# Altium PCB 400442.PcbDoc (part 3 of 4) (continued)
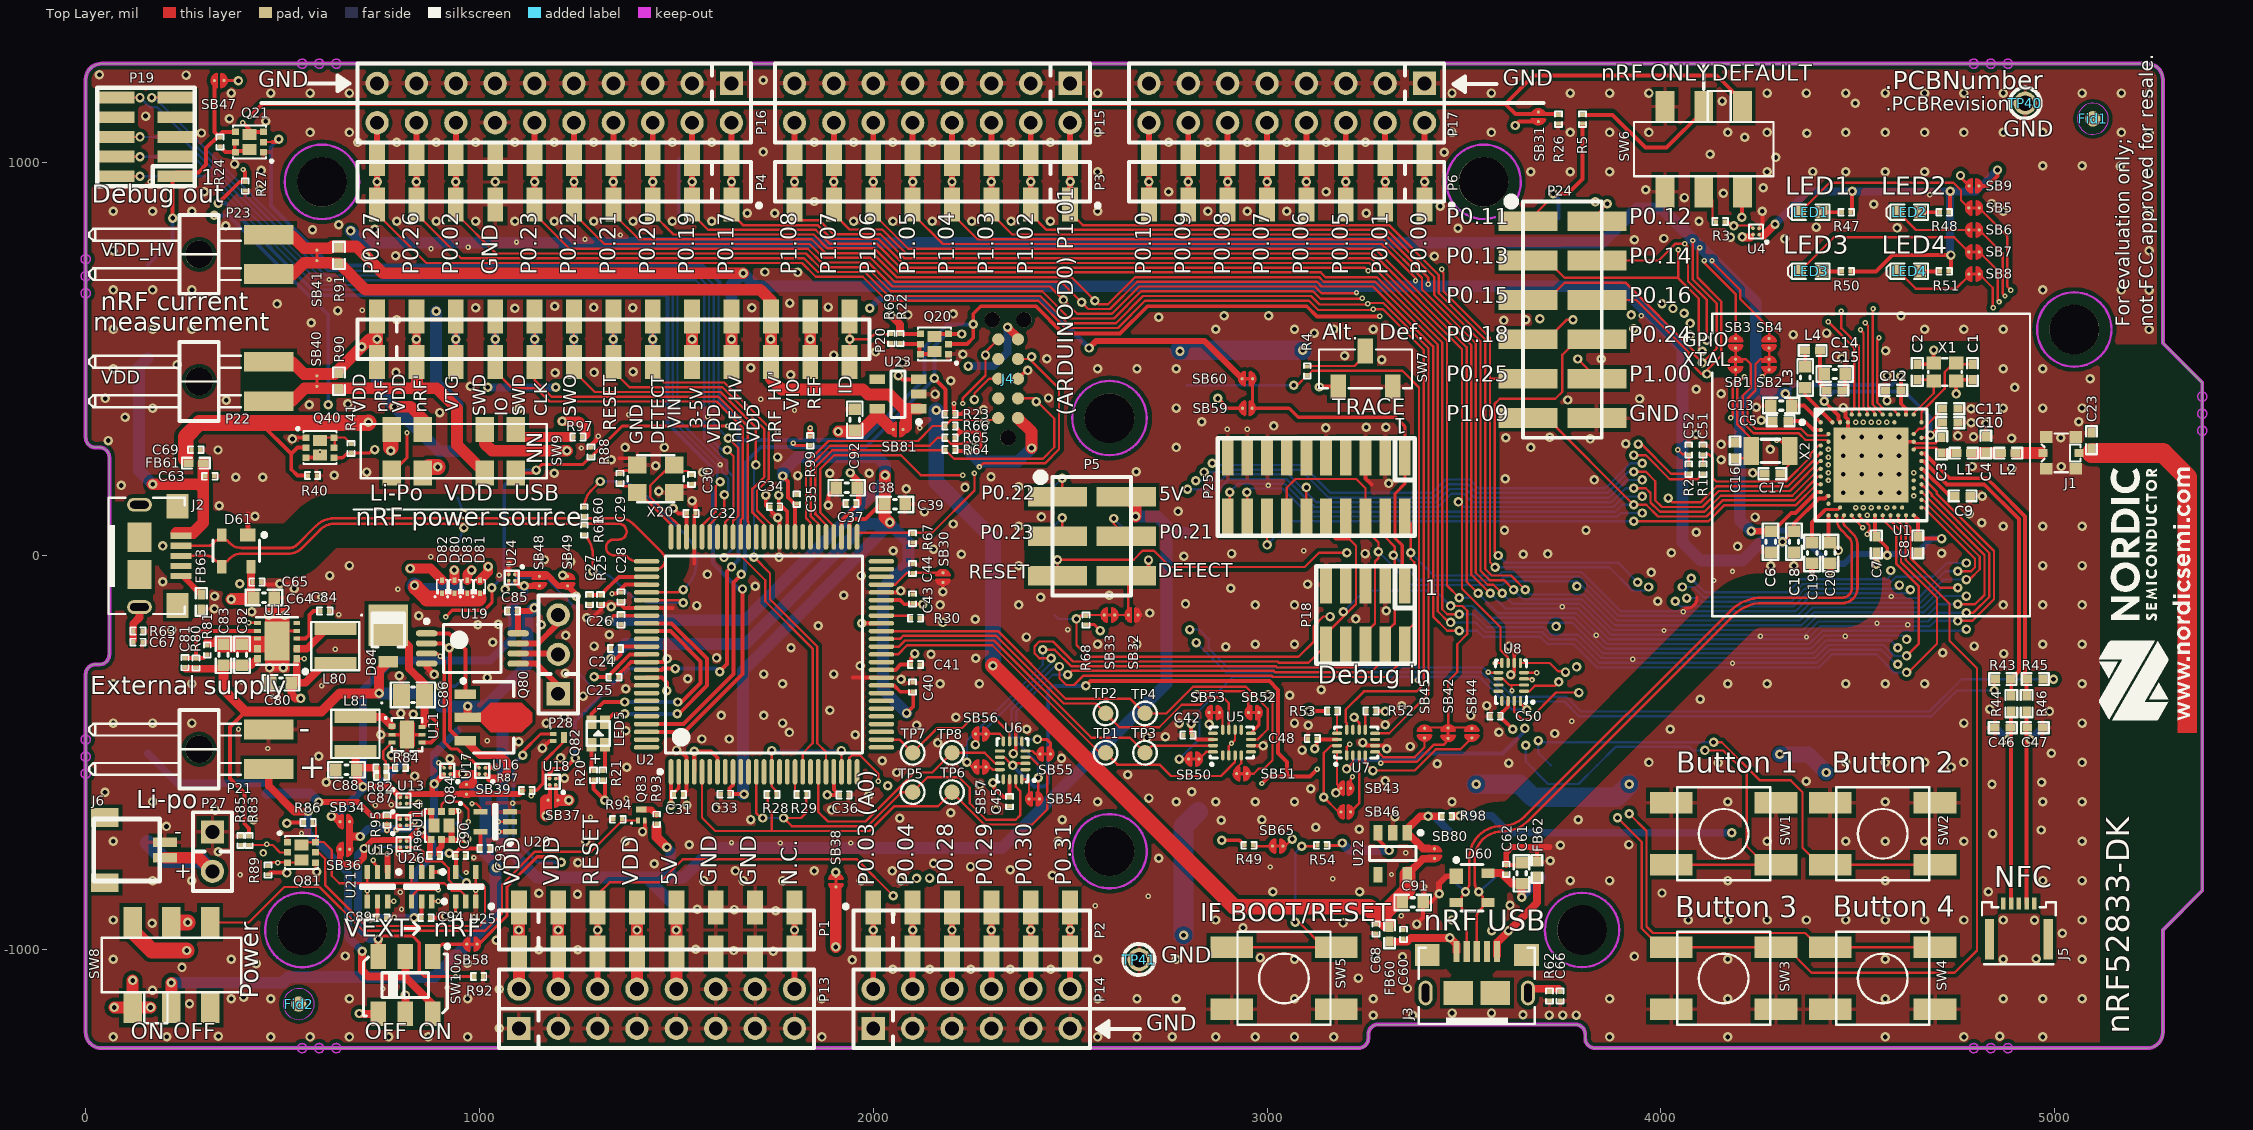
[diagram p0: Top Layer view]
## Nets (pads, with @x,y where several pads share a name; then routed paths per layer and width w, separated by ;. In a path a pad name is that pad's centre, name@x,y a point inside that pad or via, vN(x,y) a via of type N, cw(c..) or ccw(c..) an arc to the next point about the centre after c; other vN are vias at no path point) (continued)
  Mid-Layer 2 w5.91: v1(2819,191) 2819,242 2956,379 2956,725.94 3000,769.94 v1(3000,950) ; v1(3741,-320) 3737.09,-316.09 3737.09,-280.6 3779,-238.7 3779,-153.7 3809,-123.7 3809,-33.06 3898,55.94 3898,168.7 3922.3,193 v1(3953,193)
  Bottom Layer w5.91: v1(2819,191) 2882.33,191 2898.33,207 3054.27,207 3125.27,136 3429.33,136 3463.33,170 3505.06,170 3527.06,148 3869.24,148 3914.24,193 v1(3953,193)
  Bottom Layer w15: P12.5@3000,892.32 v1(3000,950) P12.5@3000,1007.68
P0.08: P6.6 P12.6 P17.12 SB52.1 U1.N1 | length 3679.9
  Top Layer w5.91: v1(2821,-353) 2830.08,-343.92 2940.95,-343.92 2952.7,-355.67 2952.7,-405 ; v1(3931,172) 3961.7,172 3974,159.7 3974,135.97 3997.97,112 4111.03,112 4152.03,153 4333.95,153 4402.11,221.16 U1.N1@4406.05,221.16
  Top Layer w15: P6.6@2900,904 v1(2900,950) P6.6@2900,1007.68 P17.12@2900,1100
  Mid-Layer 2 w5.91: v1(2821,-353) 2842,-332 2842,125 v1(2798,169) 2798,237.97 2944,383.97 2944,726 2900,770 v1(2900,950)
  Bottom Layer w5.91: v1(2798,169) 2877.3,169 2903.3,195 3049.3,195 3120.3,124 3434.3,124 3468.3,158 3500.09,158 3522.09,136 3874.21,136 3910.21,172 v1(3931,172)
  Bottom Layer w15: P12.6@2900,892.32 v1(2900,950) P12.6@2900,1007.68
P0.09/NFC1: R43.2 R44.2 U1.L24 | length 766.6
  Top Layer w9.84: U1.L24@4661.95,240.84 4667.26,240.84 4726.32,181.79 4821.21,181.79 4909.4,93.6 4909.4,-292.13 R43.2@4888.53,-313 4890,-314.47 R44.2@4890,-355.32
P0.10/NFC2: R45.2 R46.2 U1.J24 | length 785.2
  Top Layer w9.84: U1.J24@4661.95,260.53 4669.57,260.53 4732.76,197.34 4827.65,197.34 4852,173 4924.95,100.04 4924.95,72.29 4925.24,72 4925.24,-307.09 R45.2@4931.16,-313 ; R46.2@4929,-355.32 R45.2@4929,-315.16
P0.11: P24.1 P25.18 U1.T2 U8.5 | length 3336.5
  Top Layer w5.91: v1(2949,162) 2950,161 P25.18@2950,98.23 ; U8.5@3643.62,-271.77 3718,-271.77 3739.23,-293 3756,-293 v1(3758,-295) ; P24.1@3662.5,850 3711.5,899 v1(3834,899)
  Mid-Layer 1 w5.91: v1(3953,109) 4048.84,109 4080.84,141 4337.76,141 4388.39,191.63 v2(4425.73,191.63)
  Mid-Layer 2 w5.91: v1(3758,-295) 3758,-277 3791,-244 3791,-158.67 3821,-128.67 3821,-38.03 3910,50.97 3910,96.7 3922.3,109 v1(3953,109) 3973.91,129.91 3973.91,165.14 3994,185.24 3994,503.81 3976,521.81 3976,585.72 3970,591.72 3970,814.03 3911.03,873 3855.3,873 3834,894.3 v1(3834,899)
  Bottom Layer w5.91: v1(2949,162) 2958,171 3039.36,171 3110.36,100 3889.12,100 3898.12,109 v1(3953,109)
P0.12: P24.2 P25.16 U1.U1 U8.9 | length 3258.6
  Top Layer w5.91: v1(3000,28) P25.16@3000,98.23 ; v2(3562,-295) 3563.38,-296.38 U8.9@3587.52,-296.38 ; P24.2@3837.5,850 3837.5,867.5 v1(3864,894) ; v1(3931,88) 4120.97,88 4161.97,129 4337,129 4343.11,129 4395.9,181.79 U1.U1@4406.05,181.79
  Mid-Layer 1 w5.91: v2(3562,-295) 3562,-266.92 3572.05,-256.87 3709.17,-256.87 3726.3,-274 3778,-274 v1(3786,-282)
  Mid-Layer 2 w5.91: v1@3785,-282 3785,-266.97 3803,-248.97 3803,-163.64 3833,-133.64 3833,-43 3931,55 v1(3931,88) 3964,88 3985.81,109.81 3985.81,160.21 4006,180.4 4006,508.78 3988,526.78 3988,590.69 3982,596.69 3982,819 3907,894 v1(3864,894)
  Bottom Layer w5.91: v1(3000,28) 3060,88 v1(3931,88)
P0.13: P24.3 SB5.1 U1.AD8 | length 3384.7
  Top Layer w5.91: P24.3@3681,750 3712,750 3756,706 4044,706 ; v2(4044,777) 4044,706 ; v1(4105,520) 4096.29,528.71 4096.29,653.71 4044,706 ; U1.AD8@4484.79,103.05 4484.79,100.21 v2(4513,72) ; SB5.1@4808.63,883.73 4880,812.37 4880,684 v2(4889,675)
  Mid-Layer 1 w5.91: v2(4044,777) 4044,809 4064,829 4126,829 4173,782 4527.17,782 4643.45,665.72 4823.7,665.72 4833.78,675.8 4888.2,675.8 v2(4889,675) ; v2(4513,72) 4531.57,72 4568.1,35.47 4589.67,35.47 4607.91,17.24 4607.91,-52.09 4606,-54 v1(4606,-74)
  Mid-Layer 2 w5.91: v1(4066,-107) 4079,-107 4134.72,-51.28 4134.72,190.81 4173.91,230 4173.91,450.79 4105,519.7 v1(4105,520)
  Bottom Layer w5.91: v1(4066,-107) 4093.33,-107 4102.8,-116.47 4331.58,-116.47 4346.53,-101.53 4347.19,-101.53 4365.45,-83.27 4596.73,-83.27 v1(4606,-74)
P0.14: P24.4 SB6.1 U1.AC9 | length 3309.5
  Top Layer w5.91: P24.4@3837.5,750 3994.53,750 4037.53,793 v2(4061,793) 4069,785 4069,697.56 4117,649.56 v1(4117,548) ; SB6.1@4808.63,827.73 4868,768.37 4868,666 v2(4874,660)
  Mid-Layer 1 w5.91: v2(4061,793) 4061,809.03 4068.97,817 4121.03,817 4168.03,770 4522.33,770 4638.52,653.81 4828.64,653.81 4835.62,660.8 4873.2,660.8 v2(4874,660) ; v2(4494.63,122.73) 4494.63,120.08 4508.36,106.35 4508.36,96.5 4517.61,87.25 4533.15,87.25 4573.03,47.37 4594.61,47.37 4619.81,22.17 4619.81,-41.4 4634,-55.59 v1(4634,-86)
  Mid-Layer 2 w5.91: v1(4037,-115) 4049.91,-127.91 4075.09,-127.91 4133,-70 4133,-69.84 4146.62,-56.21 4146.62,185.88 4185.81,225.07 4185.81,479.19 v1(4117,548)
  Bottom Layer w5.91: v1(4037,-115) 4050.38,-128.38 4337.18,-128.38 4370.38,-95.17 4624.83,-95.17 v1(4634,-86)
P0.15: P24.5 SB7.1 U1.AD10 | length 3225.1
  Top Layer w5.91: P24.5@3662.5,650 3712,650 3756,694 3910,694 4084,520 4084,511.3 4105,490.3 v1(4105,490) 4142,527 4142,641.12 4081,702.12 v2(4081,801) ; U1.AD10@4504.47,103.05 4504.47,100.39 4517.61,87.25 4520.09,87.25 4530.02,77.32 4530.02,66.33 4524,60.32 v2(4524,55) ; SB7.1@4808.63,771.73 4856,724.37 4856,648 v2(4859,645)
  Mid-Layer 1 w5.91: v2(4081,801) 4120.06,801 4163.06,758 4517.5,758 4633.59,641.91 4833.57,641.91 4837.46,645.8 4858.2,645.8 v2(4859,645) ; v2(4524,55) 4531.73,55 4563.17,23.56 4584.74,23.56 4596,12.3 4596,-25 v1(4584,-37)
  Mid-Layer 2 w5.91: v1(4077,-57) 4110.91,-23.09 4110.91,438.53 4096.09,453.34 4096.09,470.66 4105,479.56 v1(4105,490)
  Bottom Layer w5.91: v1(4077,-57) 4112.66,-92.66 4321.72,-92.66 4354.92,-59.46 4574.14,-59.46 4584,-49.6 v1(4584,-37)
P0.16: P24.6 SB8.1 U1.AC11 | length 3354.2
  Top Layer w5.91: P24.6@3837.5,650 3937.44,650 4072,515.44 4072,493.3 4103.3,462 v1(4117,462) 4117,472.3 4153.71,509.01 4153.71,645.97 4093,706.68 4093,777 v2(4099,783) ; SB8.1@4808.63,715.73 4843.11,681.26 4843.11,630.89 v2(4844,630)
  Mid-Layer 1 w5.91: v2(4099,783) 4121.09,783 4158.09,746 4512.66,746 4628.66,630 v2(4844,630) ; v2(4514.31,122.73) 4514.31,125.38 4527.46,138.53 4619.28,138.53 4621.35,136.46 4650.7,136.46 4656.58,130.58 4776,11.16 v1(4776,-18)
  Mid-Layer 2 w5.91: v1(4055,-79) 4090.16,-79 4122.81,-46.35 4122.81,456.19 v1(4117,462)
  Bottom Layer w5.91: v1(4055,-79) 4082.16,-79 4107.73,-104.57 4326.65,-104.57 4359.85,-71.36 4579.07,-71.36 4597.34,-53.09 4691.21,-53.09 4726.3,-18 v1(4776,-18)
P0.17: P4.1 P10.1 P16.2 U1.AD12 | length 4572.4
  Top Layer w5.91: P4.1@1640,892.32 1640,869 1669,840 1858.76,840 1893.76,805 2013.09,805 2074.09,744 3259.44,744 3456.83,546.61 3456.83,-74.83 v1(3488,-106)
  Top Layer w15: P4.1@1640,892.32 v1(1640,950) P4.1@1640,1007.68 P16.2@1640,1100
  Mid-Layer 1 w5.91: v2(4524.16,103.05) 4534.19,103.05 4577.96,59.28 4599.54,59.28 4631.72,27.1 4631.72,-36.47 4657.47,-62.22 4657.47,-178.53 v1(4624,-212)
  Bottom Layer w5.91: v1(3488,-106) 3517.44,-106 3568.87,-157.43 3780.17,-157.43 3858.36,-235.62 4381.47,-235.62 4414.77,-202.32 4614.32,-202.32 v1(4624,-212)
  Bottom Layer w15: P10.1@1640,892.32 v1(1640,950) P10.1@1640,1007.68
P0.18/RESET: P18.10 P24.7 P25.10 SB42.2 SB44.2 SB45.2 SB56.1 U1.AC13 | length 5066.1
  Top Layer w5.91: v1(2451.64,-259.64) 2421.94,-259.64 2409.42,-247.12 2409.42,-229.72 2421.72,-217.42 2456.5,-217.42 2507,-267.92 3026.63,-267.92 3030.03,-271.32 3105.45,-271.32 P18.10@3150,-226.77 3150,-198.16 3226,-122.16 3226,26 3210.02,41.98 3175.02,41.98 3150,67 P25.10@3150,98.23 ; 3409,-435.7 3412.11,-435.7 SB42.2@3460,-435.7 ; v1(3466,-127) 3466.29,-127.29 3496.58,-127.29 3508.71,-139.42 3508.71,-198.58 3483,-224.29 3483,-295 3460,-318 SB42.2@3460,-435.7 ; 3507.89,-435.7 SB42.2@3460,-435.7 ; SB44.2@3520,-435.7 3532.11,-435.7 ; P24.7@3662.5,550 3712,550 3762,600 v1(3777,600)
  Top Layer w8: 2259.7,-465.9 SB56.1@2259.7,-452
  Mid-Layer 1 w5.91: v2(4534,122.73) 4534,120.08 4582.89,71.18 4604.47,71.18 4643.62,32.03 4643.62,-31.53 4669.38,-57.29 4669.38,-196.19 4632.56,-233 v1(4602,-233)
  Mid-Layer 2 w5.91: v1(3734,-179) 3766.09,-146.91 3766.09,-42.29 3874.19,65.8 3874.19,354.97 3763.09,466.07 3763.09,472.91 3756,480 3756,509 3777,530 v1(3777,600)
  Bottom Layer w5.91: v1(2259.4,-479) 2259.4,-464.6 2451.64,-272.36 v1(2451.64,-259.64) ; v1(3194,-142) 3248,-88 3427,-88 v1(3466,-127) 3521.6,-127 3563.94,-169.34 3775.24,-169.34 3853.43,-247.53 4386.4,-247.53 4419.7,-214.23 4583.23,-214.23 v1(4602,-233)
P0.19: P4.2 P10.2 P16.4 U1.A14 | length 3709.5
  Top Layer w5.91: P4.2@1540,892.32 1540,869 1581,828 1853.79,828 1888.79,793 2008.12,793 2069.12,732 3249,732 v2(3257,724) ; v2(4519,592) 4526.32,584.68 4526.32,380.1 4543.84,362.58 U1.A14@4543.84,358.95
  Top Layer w15: P4.2@1540,892.32 v1(1540,950) P4.2@1540,1007.68 P16.4@1540,1100
  Mid-Layer 1 w5.91: v2(3257,724) 3307,674 4482.97,674 4511,645.97 4511,600.86 v2@4519,592.86
  Bottom Layer w15: P10.2@1540,892.32 v1(1540,950) P10.2@1540,1007.68
P0.20: P4.3 P10.3 P16.6 U1.AD16 | length 4827.9
  Top Layer w5.91: P4.3@1440,892.32 1440,869 1493,816 1848.82,816 1883.82,781 2003.15,781 2064.15,720 3136.56,720 3148.82,707.74 3279.15,707.74 3445.13,541.76 3445.13,-135.41 3457.71,-148 v1(3488,-148) ; U1.AD16@4563.53,103.05 4563.53,92.47 4598.09,57.91 4598.09,10 4598.19,9.91 4598.19,-20.31 4655.4,-77.52 4655.4,-222.6 v1(4624,-254)
  Top Layer w15: P4.3@1440,892.32 v1(1440,950) P4.3@1440,1007.68 P16.6@1440,1100
  Bottom Layer w5.91: v1(3488,-148) 3525.76,-148 3559.01,-181.24 3703.24,-181.24 3721.91,-199.91 3788.97,-199.91 3848.5,-259.43 4391.33,-259.43 4424.63,-226.13 4565.57,-226.13 4593.44,-254 v1(4624,-254)
  Bottom Layer w15: P10.3@1440,892.32 v1(1440,950) P10.3@1440,1007.68
P0.21: P4.4 P5.4 P10.4 P11.4 P16.8 U1.AC17 | length 5833
  Top Layer w5.91: P4.4@1340,892.32 1340,869 1405,804 1843.85,804 1878.85,769 1998.18,769 2059.18,708 2503,708 v1(2563,648) 2572,639 2596.35,639 2665.35,708 3132,708 3143.97,696.03 3274.3,696.03 3433.42,536.91 3433.42,-140.26 3462.15,-169 v1(3466,-169) ; v1(2611,95) 2611,81.5 P5.4@2642.5,50
  Top Layer w15: P4.4@1340,892.32 v1(1340,950) P4.4@1340,1007.68 P16.8@1340,1100
  Mid-Layer 1 w5.91: v2(4573.37,122.73) 4573.37,97.55 4587.83,83.09 4609.4,83.09 4655.53,36.96 4655.53,-26.6 4681.28,-52.36 4681.28,-226.72 4633,-275 v1(4602,-275)
  Mid-Layer 2 w5.91: v1(2563,648) 2562.7,648 2492.59,577.89 2492.59,222.51 2611,104.11 v1(2611,95)
  Bottom Layer w5.91: v1(2611,95) 2656,50 P11.4@2666.22,50 ; v1(3466,-169) 3529.92,-169 3554.07,-193.15 3698.31,-193.15 3716.97,-211.81 3784.04,-211.81 3843.57,-271.34 4396.26,-271.34 4429.56,-238.04 4560.64,-238.04 4597.6,-275 v1(4602,-275)
  Bottom Layer w15: P10.4@1340,892.32 v1(1340,950) P10.4@1340,1007.68
P0.22: P4.5 P5.1 P10.5 P11.1 P16.10 U1.AD18 | length 5787
  Top Layer w5.91: P4.5@1240,892.32 1240,869 1317,792 1838.88,792 1873.88,757 1993.21,757 2054.21,696 2477,696 v1(2529,644) 2546,627 2601.32,627 2670.32,696 3126.62,696 3138.3,684.32 3269.45,684.32 3421.71,532.06 3421.71,-154 3457.71,-190 v1(3488,-190) ; P5.1@2467.5,150 2480,162.5 v1(2480,197) ; U1.AD18@4583.21,103.05 4583.21,89.76 4610.09,62.88 4610.09,-15.38 4701.2,-106.49 4701.2,-223 4628.2,-296 v1(4624,-296)
  Top Layer w15: P4.5@1240,892.32 v1(1240,950) P4.5@1240,1007.68 P16.10@1240,1100
  Mid-Layer 2 w5.91: v1(2480,197) 2480.59,197.59 2480.59,595.59 v1(2529,644)
  Bottom Layer w5.91: P11.1@2420.18,150 P11.1@2443.78,150 2443.78,160.78 v1(2480,197) ; v1(3488,-190) 3534.09,-190 3549.14,-205.06 3693.38,-205.06 3712.04,-223.72 3779.11,-223.72 3838.64,-283.24 4401.19,-283.24 4434.49,-249.95 4547.38,-249.95 4593.44,-296 v1(4624,-296)
  Bottom Layer w15: P10.5@1240,892.32 v1(1240,950) P10.5@1240,1007.68
P0.23: P4.6 P5.3 P10.6 P11.3 P16.12 U1.B17 | length 5024.1
  Top Layer w5.91: P4.6@1140,892.32 1140,869 1229,780 1833.91,780 1868.91,745 1988.24,745 2049.24,684 2449,684 v1(2483,650) 2518,615 2606.29,615 2675.29,684 3121.65,684 3138.65,667 3225.56,667 v2(3227.28,668.72) ; P5.3@2467.5,50 2480,62.5 v1(2480,97)
  Top Layer w15: P4.6@1140,892.32 v1(1140,950) P4.6@1140,1007.68 P16.12@1140,1100
  Mid-Layer 1 w5.91: v2(3227.28,668.72) 3227.28,716.62 3250.46,739.8 3263.54,739.8 3284.43,718.91 3421.09,718.91 3430,710 4497.88,710 4555.82,652.06 4555.82,579.99 4530.86,555.03 4530.86,400.44 4573.37,357.93 v3(4573.37,339.27)
  Mid-Layer 2 w5.91: v1(2480,97) 2480,167.3 2459,188.3 2459,209.41 2468.59,219 2468.59,635.59 v1(2483,650)
  Bottom Layer w5.91: P11.3@2443.78,50 2443.78,60.78 v1(2480,97)
  Bottom Layer w15: P10.6@1140,892.32 v1(1140,950) P10.6@1140,1007.68
P0.24: P24.8 SW3.2 U1.AD20 | length 4237.4
  Top Layer w5.91: v1(3587,1) 3578,10 3578,386 3591,399 3732,399 3750,417 3750,511 3789,550 P24.8@3837.5,550 ; v1(3890,-665) 3951.57,-726.57 3951.57,-946.07 3999.53,-994.03 SW3.2@4026.7,-994.03 SW3.2@4292.45,-994.03 4318.53,-994.03 4383,-1058.5 4746,-1058.5 4802.75,-1001.75 4802.75,-285.31 4733.09,-215.66 4733.09,-121.54 4622.09,-10.54 4622.09,67.85 4602.9,87.04 U1.AD20@4602.9,103.05
  Mid-Layer 2 w5.91: v1(3890,-665) 3890,-641.84 3830.33,-582.17 3830.33,-407.7 3887,-351.03 3887,-198.43 3896.72,-188.72 3896.85,-188.72 3941,-144.57 v1(3941,-67)
  Bottom Layer w5.91: v1(3587,1) 3604.95,-16.95 3890.95,-16.95 v1(3941,-67)
P0.25: P24.9 SW4.2 U1.A20 | length 4566.5
  Top Layer w5.91: v2(3444,728) 3444,722.44 3448.02,718.43 3448.02,672.16 3566,554.18 3566,450 ; v1(3579,-29) 3566,-16 3566,450 ; P24.9@3662.5,450 3566,450 ; v1(3920,-655) 3963.57,-698.57 3963.57,-941.1 3979.94,-957.47 4366.97,-957.47 4403.53,-994.03 SW4.2@4430.7,-994.03 SW4.2@4696.45,-994.03 ; v2(4554,554) 4549.55,549.55 4549.55,389.72 4566.25,373.03 4589.04,373.03 4602.9,359.17 U1.A20@4602.9,358.95
  Mid-Layer 1 w5.91: v2(3444,728) 3450,734 4507.82,734 4579.82,662 4579.82,602
  Mid-Layer 1 w6: v2(4554,554) 4579.82,579.82 4579.82,602
  Mid-Layer 2 w5.91: v1(3920,-655) 3842.33,-577.33 3842.33,-412.67 3899,-356 3899,-203.4 3965,-137.4 3965,-83 v1(3969,-79)
  Bottom Layer w5.91: v1(3579,-29) 3579.14,-28.86 3868.86,-28.86 3928,-88 3960,-88 v1(3969,-79)
P0.26: C51.2 R1.2 U1.G1 | length 424.3
  Top Layer w5.91: R1.2@4107,232.69 C51.2@4107,257.78 4122.22,257.78 4132,248 4132,198 4141,189 4313,189 4317.87,189 4317.92,189.05 4379.68,250.81 4379.68,254.48 4379.68,258.68 4401.21,280.21 U1.G1@4406.05,280.21
P0.27: C52.1 R2.2 U1.H2 | length 524.6
  Top Layer w5.91: v2(4043,270) 4043.32,270.32 4055.85,257.78 C52.1@4071,257.78 R2.2@4071,232.69
  Mid-Layer 1 w5.91: v2(4043,270) 4043,240 4094,189 4317.87,189 4399.24,270.37 v2@4424.34,270.37
  other v2: 4425.73,270.37
P0.28/AIN4: P2.3 P8.3 P14.6 U1.B11 | length 4104.4
  Top Layer w15: P14.6@2200,-1100 P2.3@2200,-1007.68 v1(2200,-950) P2.3@2200,-892.32
  Mid-Layer 1 w5.91: v1@4033,626.3 4044.61,637.91 4467.17,637.91 4475,630.08 4475,584.56 4479.19,580.37 4479.19,562.84 4495.42,546.6 4495.42,385.76 4514.31,366.87 v3(4514.31,339.27)
  Mid-Layer 2 w5.91: v1(2200,-950) 2245,-905 2518.64,-905 2531.05,-917.41 2723,-917.41 2845.4,-795 3497,-795 3782.33,-509.67 3782.33,-387.95 3839,-331.28 3839,-178.55 3869,-148.55 3869,-57.91 4039.91,112.99 4039.91,155.66 4029.91,165.66 4029.91,416.91 4030,417 4030,627.3 v1(4031,628.3)
  Bottom Layer w15: P8.3@2200,-1007.68 v1(2200,-950) P8.3@2200,-892.32
P0.29/AIN5: P2.4 P8.4 P14.8 U1.A10 | length 3964.1
  Top Layer w5.91: v2(4458,622) 4458,578.53 4503.09,533.43 4503.09,360.33 U1.A10@4504.47,358.95 ; v2@4461,622 v2@4461,623
  Top Layer w15: P14.8@2300,-1100 P2.4@2300,-1007.68 v1(2300,-950) P2.4@2300,-892.32
  Mid-Layer 1 w5.91: v1(4059,616.3) 4065.7,623 v2@4458,623
  Mid-Layer 2 w5.91: v1(2300,-950) 2333,-917 2513.67,-917 2526.08,-929.41 2727.97,-929.41 2850.37,-807 3501.97,-807 3794.33,-514.64 3794.33,-392.79 3851,-336.12 3851,-183.52 3881,-153.52 3881,-62.88 4037,93.12 4037,93.25 4051.81,108.06 4051.81,160.59 4042,170.4 4042,599.3 v1(4059,616.3)
  Bottom Layer w15: P8.4@2300,-1007.68 v1(2300,-950) P8.4@2300,-870
P0.30/AIN6: P2.5 P8.5 P14.10 U1.B9 | length 3844.5
  Top Layer w15: P14.10@2400,-1100 P2.5@2400,-1007.68 v1(2400,-950) P2.5@2400,-892.32
  Mid-Layer 1 w5.91: v1(4075,590.3) 4095.79,611.09 4431.49,611.09 4467.38,575.21 4467.38,557.94 4483.61,541.71 4483.61,380.87 4494.63,369.85 v3(4494.63,339.27)
  Mid-Layer 2 w5.91: v1(2400,-950) 2421,-929 2508.7,-929 2521.11,-941.41 2732.94,-941.41 2855.34,-819 3510,-819 3806.33,-522.67 3806.33,-397.76 3863,-341.09 3863,-188.49 3882.75,-168.75 3882.75,-168.61 3892.91,-158.45 3892.91,-67.95 4063.72,102.86 4063.72,165.52 4054,175.24 4054,572.86 4076.44,595.3 v1@4081,595.3
  Bottom Layer w15: P8.5@2400,-1007.68 v1(2400,-950) P8.5@2400,-870
P0.31/AIN7: P2.6 P8.6 P14.12 U1.A8 | length 3662.6
  Top Layer w5.91: v2@4427,595 4427,592.56 4491.48,528.08 4491.48,373.91 4484.79,367.22 U1.A8@4484.79,358.95
  Top Layer w15: P14.12@2500,-1100 P2.6@2500,-1007.68 v1(2500,-950) P2.6@2500,-892.32
  Mid-Layer 1 w5.91: v1@4076,565.3 4081,565.3 4114.7,599 4423,599 v2@4427,595
  Mid-Layer 2 w5.91: v1(2500,-950) 2503.41,-953.41 2737.91,-953.41 2860.31,-831 3514.97,-831 3818.33,-527.64 3818.33,-402.73 3875,-346.06 3875,-193.46 3904.81,-163.65 3904.81,-72.88 3925.78,-51.91 3925.91,-51.91 4049.91,72.09 4049.91,72.22 4075.62,97.93 4075.62,170.45 4065.91,180.17 4065.91,362.91 4066,363 4066,555.3 v1@4076,565.3 ; v1@4078.5,562.8 v1@4081,565.3
  Bottom Layer w15: P8.6@2500,-1007.68 v1(2500,-950) P8.6@2500,-892.32
  other v1: 4075,560.3
  other v2: 4425,595
P1.00: P18.6 P24.10 P25.6 P25.14 SB57.1 U1.AD22 | length 4581
  Top Layer w5.91: v1(2238,-524) 2250,-536 2252.83,-536 SB57.1@2259.7,-536 ; v1(2430.42,-238.42) 2460.53,-238.42 2502.03,-279.92 3021.66,-279.92 3025.06,-283.32 3225.68,-283.32 3250,-259 P18.6@3250,-226.77 3250,-195.96 3273.96,-172 3273.96,-14 3283,-4.96 v1(3283,10.44) 3283,34 3250,67 P25.6@3250,98.23 3250,172 3226.47,195.53 3072.53,195.53 3050,173 P25.14@3050,98.23 ; v1(3789,500) P24.10@3837.5,451.5 ; U1.AD22@4622.58,103.05 4622.58,84.33 4634,72.91 4634,-5.61 4709.39,-81 v1(4754,-81)
  Mid-Layer 2 w5.91: v1(3787,-77) 3797.09,-66.91 3797.09,-28.13 3886.09,60.87 3886.09,359.91 3775,471 3775,486 v1(3789,500)
  Bottom Layer w5.91: v1(2238,-524) 2238,-469.03 2430.64,-276.39 2430.64,-238.64 v1(2430.42,-238.42) ; v1(3283,10.44) 3367.15,-73.72 3597.52,-73.72 3606.66,-64.57 3788.34,-64.57 3887.95,-164.19 4174,-164.19 4174.09,-164.09 4351.97,-164.09 4385.18,-130.89 4663.93,-130.89 4713.82,-81 v1(4754,-81)
P1.01: P3.1 P9.1 P15.2 U1.Y23 | length 3809.2
  Top Layer w5.91: P3.1@2500,892.32 2500,872 2532,840 3309.88,840 3436.31,713.58 3436.31,667.31 3554,549.62 3554,-33.29 3570.42,-49.71 3619.71,-49.71 v1(3656,-86)
  Top Layer w15: P3.1@2500,892.32 v1(2500,950) P3.1@2500,1007.68 P15.2@2500,1100
  Mid-Layer 1 w5.91: v2(4642.27,152.26) 4651.74,152.26 4796.91,7.09 4796.91,-81.09 v1(4776,-102)
  Bottom Layer w5.91: v1(3656,-86) 3667.91,-97.91 3804.83,-97.91 3883.02,-176.09 4239.91,-176.09 4240,-176 4356.9,-176 4390.11,-142.8 4668.86,-142.8 4709.65,-102 v1(4776,-102)
  Bottom Layer w15: P9.1@2500,868.4 v1(2500,950) P9.1@2500,1007.68
P1.02: P3.2 P9.2 P15.4 U1.W24 | length 3939.7
  Top Layer w5.91: P3.2@2400,892.32 2400,868 2440,828 3304.91,828 3424.6,708.31 3424.6,662.46 3542,545.06 3542,-37.85 3565.57,-61.42 3601.42,-61.42 v1(3626,-86) ; U1.W24@4661.95,162.1 4662.65,162.1 4676.37,148.39 4676.37,148.21 4821.99,2.58 4821.99,-99.01 4798,-123 v1(4754,-123)
  Top Layer w15: P3.2@2400,892.32 v1(2400,950) P3.2@2400,1007.68 P15.4@2400,1100
  Bottom Layer w5.91: v1(3626,-86) 3649.81,-109.81 3799.9,-109.81 3878.09,-188 4361.74,-188 4395.04,-154.7 4673.79,-154.7 4705.49,-123 v1(4754,-123)
  Bottom Layer w15: P9.2@2400,892.32 v1(2400,950) P9.2@2400,1007.68
P1.03: P3.3 P9.3 P15.6 U1.B15 | length 3009.2
  Top Layer w5.91: P3.3@2300,892.32 2300,869 2353,816 3299.94,816 3409,706.94 v2(3409,690)
  Top Layer w15: P3.3@2300,892.32 v1(2300,950) P3.3@2300,1007.68 P15.6@2300,1100
  Mid-Layer 1 w5.91: v2(3409,690) 3413,686 4487.94,686 4523,650.94 4523,621.53 4537.47,607.06 4537.47,578.62 4519.05,560.19 4519.05,395.55 4553.68,360.91 v3(4553.68,339.27)
  Bottom Layer w15: P9.3@2300,892.32 v1(2300,950) P9.3@2300,1007.68
P1.04: P3.4 P9.4 P15.8 U1.U24 | length 4181.2
  Top Layer w5.91: P3.4@2200,892.32 2200,869 2265,804 3295.38,804 3393.4,705.98 3393.4,677.1 3530.29,540.21 3530.29,-42.7 3560.72,-73.13 3575.13,-73.13 3595,-93 3595,-95 v1(3597,-95) ; U1.U24@4661.95,181.79 4661.95,179.41 4664.85,176.52 4667.92,176.52 4688.37,156.07 4688.37,153.18 4833.99,7.55 4833.99,-104.01 4794,-144 v1(4776,-144)
  Top Layer w15: P3.4@2200,892.32 v1(2200,950) P3.4@2200,1007.68 P15.8@2200,1100
  Bottom Layer w5.91: v1(3597,-95) 3623.72,-121.72 3794.97,-121.72 3873.16,-199.91 4366.67,-199.91 4399.97,-166.61 4678.72,-166.61 4701.33,-144 v1(4776,-144)
  Bottom Layer w15: P9.4@2200,892.32 v1(2200,950) P9.4@2200,1007.68
P1.05: P3.5 P9.5 P15.10 U1.A16 | length 3191.9
  Top Layer w5.91: P3.5@2100,892.32 2100,869 2177,792 3290.82,792 3377,705.82 v2(3377,699) ; v2@4539.82,627.18 v2(4539,628) 4537.94,626.94 4537.94,384.91 4563.53,359.32 U1.A16@4563.53,358.95
  Top Layer w15: P3.5@2100,892.32 v1(2100,950) P3.5@2100,1007.68 P15.10@2100,1100
  Mid-Layer 1 w5.91: v2(3377,699) 3385,707 3415,707 3424,698 3452,698 4492.91,698 4540,650.91 4540,629 v2(4539,628)
  Bottom Layer w15: P9.5@2100,892.32 v1(2100,950) P9.5@2100,1007.68
P1.06: P3.6 P9.6 P15.12 U1.R24 | length 4411.8
  Top Layer w5.91: P3.6@2000,892.32 2000,869 2089,780 3273.94,780 3518.58,535.36 3518.58,-47.54 3566.04,-95 v1(3567,-95) ; U1.R24@4661.95,201.47 4662.65,201.47 4700.37,163.76 4700.37,158.15 4845.99,12.52 4845.99,-110.01 4791,-165 v1(4754,-165)
  Top Layer w15: P3.6@2000,892.32 v1(2000,950) P3.6@2000,1007.68 P15.12@2000,1100
  Bottom Layer w5.91: v1(3567,-95) 3605.62,-133.62 3790.04,-133.62 3868.23,-211.81 4371.6,-211.81 4404.9,-178.51 4683.65,-178.51 4697.16,-165 v1(4754,-165)
  Bottom Layer w15: P9.6@2000,892.32 v1(2000,950) P9.6@2000,1007.68
P1.07: P3.7 P9.7 P15.14 U1.P23 U8.3 | length 4919
  Top Layer w5.91: P3.7@1900,892.32 1900,869 1940,829 2023.03,829 2084.03,768 3268.97,768 3506.87,530.1 3506.87,-65.87 v1(3536,-95) ; U8.3@3652.48,-312.13 v2@3669.13,-312.13
  Top Layer w15: P3.7@1900,892.32 v1(1900,950) P3.7@1900,1007.68 P15.14@1900,1100
  Mid-Layer 1 w5.91: v1(3536,-95) 3571.8,-130.8 3571.8,-230.2 3546.2,-255.8 3546.2,-318.2 3554,-326 3663,-326 v2@3673,-316 ; v2(4642.27,211.31) 4642.27,178.57 4808.81,12.03 4808.81,-153.19 v1(4776,-186)
  Bottom Layer w5.91: v1(3536,-95) 3586.53,-145.53 3785.1,-145.53 3863.29,-223.72 4376.53,-223.72 4409.83,-190.42 4771.58,-190.42 v1(4776,-186)
  Bottom Layer w15: P9.7@1900,892.32 v1(1900,950) P9.7@1900,1007.68
  other v2: 3673,-315
P1.08: P3.8 P9.8 P15.16 U1.P2 U8.7 | length 4041.8
  Top Layer w5.91: P3.8@1800,892.32 1800,858 1806,852 1863.73,852 1898.73,817 2018.06,817 2079.06,756 3264,756 3495.17,524.83 3495.17,-83.45 3593.04,-181.33 3593.04,-238.96 3612.13,-258.05 U8.7@3612.13,-271.77
  Top Layer w15: P3.8@1800,892.32 v1(1800,950) P3.8@1800,1007.68 P15.16@1800,1100
  Mid-Layer 1 w5.91: v1(3953,151) 3983.09,120.91 4043.91,120.91 4076,153 4332.79,153 4391.1,211.31 v2(4425.73,211.31)
  Bottom Layer w5.91: v1(3486,137) 3499,124 3879.18,124 3906.18,151 v1(3953,151)
  Bottom Layer w15: P9.8@1800,892.32 v1(1800,950) P9.8@1800,1007.68
P1.09: P24.11 P25.20 U1.R1 | length 2066.8
  Top Layer w5.91: P25.20@2900,65 P25.20@2900,98.23 2905,103.23 v1(2905,162) ; P24.11@3662.5,350 3711,350 v1(3931,130) 3963,130 3993,100 4116,100 4157,141 4333,141 4338.68,141 4399.16,201.47 U1.R1@4406.05,201.47
  Bottom Layer w5.91: v1@2900,157 v1(2905,162) 2926,183 3044.33,183 3115.33,112 3884.15,112 3902.15,130 v1(3931,130)
PB5: Q20.3 R23.2 U2.97 | length 1732.6
  Top Layer w10: U2.97@1424.38,-427.17 1517.83,-427.17 1645,-300 1645,-67 v1(1665,-47) ; v1(2155.33,451) 2183.78,422.55 R23.2@2183.78,360 ; Q20.3@2155.33,551 2167.92,563.59 Q20.3@2192.73,563.59 ; Q20.3@2192.53,563.59 v1(2224.41,563.59)
  Bottom Layer w10: v1(1665,-47) 1674,-38 1674,236 1715,277 1981.33,277 v1(2155.33,451) 2155.33,532.84 2186.08,563.59 v1(2224.41,563.59)
PB6: Q21.3 R27.2 U2.98 | length 2908.9
  Top Layer w10: v1(337,896) 391.22,950.22 R27.2@405,950.22 405,974.98 399.68,980.29 v2(399.68,981.32) ; v2(399,1100) 416,1083 Q21.3@416,1069.7 422.89,1076.59 Q21.3@453.4,1076.59 ; U2.98@1424.38,-446.85 1520.78,-446.85 1668,-299.63 v1(1668,-84)
  Mid-Layer 1 w10: v2(399,1100) 401.57,1097.43 401.57,983.21 v2(399.68,981.32)
  Bottom Layer w10: v1(337,896) 354.61,896 588.61,662 1472.2,662 1477,657.2 1477,337 1590,224 1590,202.47 1588,200.47 1588,169 1593,164 1593,-19 1658,-84 v1(1668,-84)
RF: J1.1 L2.2 | length 64
  Top Layer w30: L2.2@4903,261 J1.1@4967,261
SH_GND_DETECT: P20.8 P26.8 U2.62 | length 915.1
  Top Layer w5.91: P20.8@1440,607.68 P20.8@1440,492.32 1440,468 1467.79,440.21 1621.79,440.21 1735,327 1735,195.32 1705,165.32 1705,115 1742.29,77.71 U2.62@1742.29,48.23
  Bottom Layer w20: P26.8@1440,492.32 v1(1440,550) P26.8@1440,607.68
SH_RESET: P20.7 P26.7 U2.63 | length 996.4
  Top Layer w5.91: P20.7@1340,607.68 P20.7@1340,492.32 1340,469 1380.79,428.21 1616.82,428.21 1723,322.03 1723,200.29 1693,170.29 1693,110.03 1722.61,80.42 U2.63@1722.61,48.23
  Bottom Layer w20: P26.7@1340,492.32 v1(1340,550) P26.7@1340,607.68
SH_SWDCLK: P20.5 P26.5 U2.65 | length 1148.1
  Top Layer w5.91: P20.5@1140,607.68 1140,447 1183,404 1606.85,404 1681,329.85 1681,88.09 1683.24,85.85 U2.65@1683.24,48.23
  Bottom Layer w20: P26.5@1140,492.32 v1(1140,550) P26.5@1140,607.68
SH_SWDIO: P20.4 P26.4 U2.66 | length 1217.8
  Top Layer w5.91: P20.4@1040,492.32 1040,469.28 1083.84,425.44 1144.56,425.44 1178,392 1601.88,392 1669,324.88 1669,96.45 1663.55,91 U2.66@1663.55,48.23 ; P20.4@1040,496 P20.4@1040,607.68
  Bottom Layer w20: P26.4@1040,492.32 v1(1040,550) P26.4@1040,607.68
SH_SWO: P20.6 P26.6 U2.21 | length 1727.4
  Top Layer w5.91: P20.6@1240,607.68 v1(1240,550) P20.6@1240,492.32 1240,469 1292.79,416.21 1611.85,416.21 1702,326.06 v1(1702,231) ; v1(1697,-3) 1738,-44 1738,-110.03 1858,-230.03 1858,-476 1880.09,-498.09 U2.21@1880.09,-548.23
  Bottom Layer w5.91: v1(1697,-3) 1697,226 v1(1702,231)
  Bottom Layer w20: P26.6@1240,492.32 v1(1240,550) P26.6@1240,607.68
SH_VTG: P20.3 P26.3 Q20.4 R22.1 | length 1570.5
  Top Layer w5.91: P20.3@940,492.32 P20.3@940,607.68
  Top Layer w10: P20.3@940,492.32 v1(940,550) P20.3@940,607.68 ; 2076.42,563.59 Q20.4@2117.93,563.59
  Top Layer w20: v1(2045,611) 2068.33,587.67 R22.1@2068.33,568
  Mid-Layer 2 w20: v1(940,550) 970.19,580.19 1981.65,580.19 2012.46,611 v1(2045,611)
  Bottom Layer w20: P26.3@940,492.32 v1(940,550) P26.3@940,607.68
SWDCLK: P18.4 P25.4 SB55.1 U1.AA24 | length 3396.7
  Top Layer w5.91: v1(2494.06,-302.06) 2504.2,-291.92 3016.69,-291.92 3020.09,-295.32 3263.68,-295.32 3300,-259 P18.4@3300,-226.77 3300,-195.96 3323.96,-172 3323.96,24 3300,47.96 P25.4@3300,98.23 ; U1.AA24@4661.95,142.42 4665.19,142.42 4809.99,-2.39 4809.99,-34.01 v1@4784,-60
  Top Layer w8: v1(2417,-466) 2441,-466 2450.3,-475.3 2450.3,-489.1 SB55.1@2450.3,-503
  Bottom Layer w5.91: v1(2417,-466) 2376,-466 2363,-453 2363,-394.94 2456.09,-301.85 2493.85,-301.85 v1(2494.06,-302.06) ; v1(3321,2) 3384.81,-61.81 3592.59,-61.81 3601.73,-52.67 3793.27,-52.67 3892.79,-152.19 4347.04,-152.19 4380.25,-118.98 4658.99,-118.98 4717.98,-60 v1(4776,-60)